# KiCad board panelized.kicad_pcb (continued)
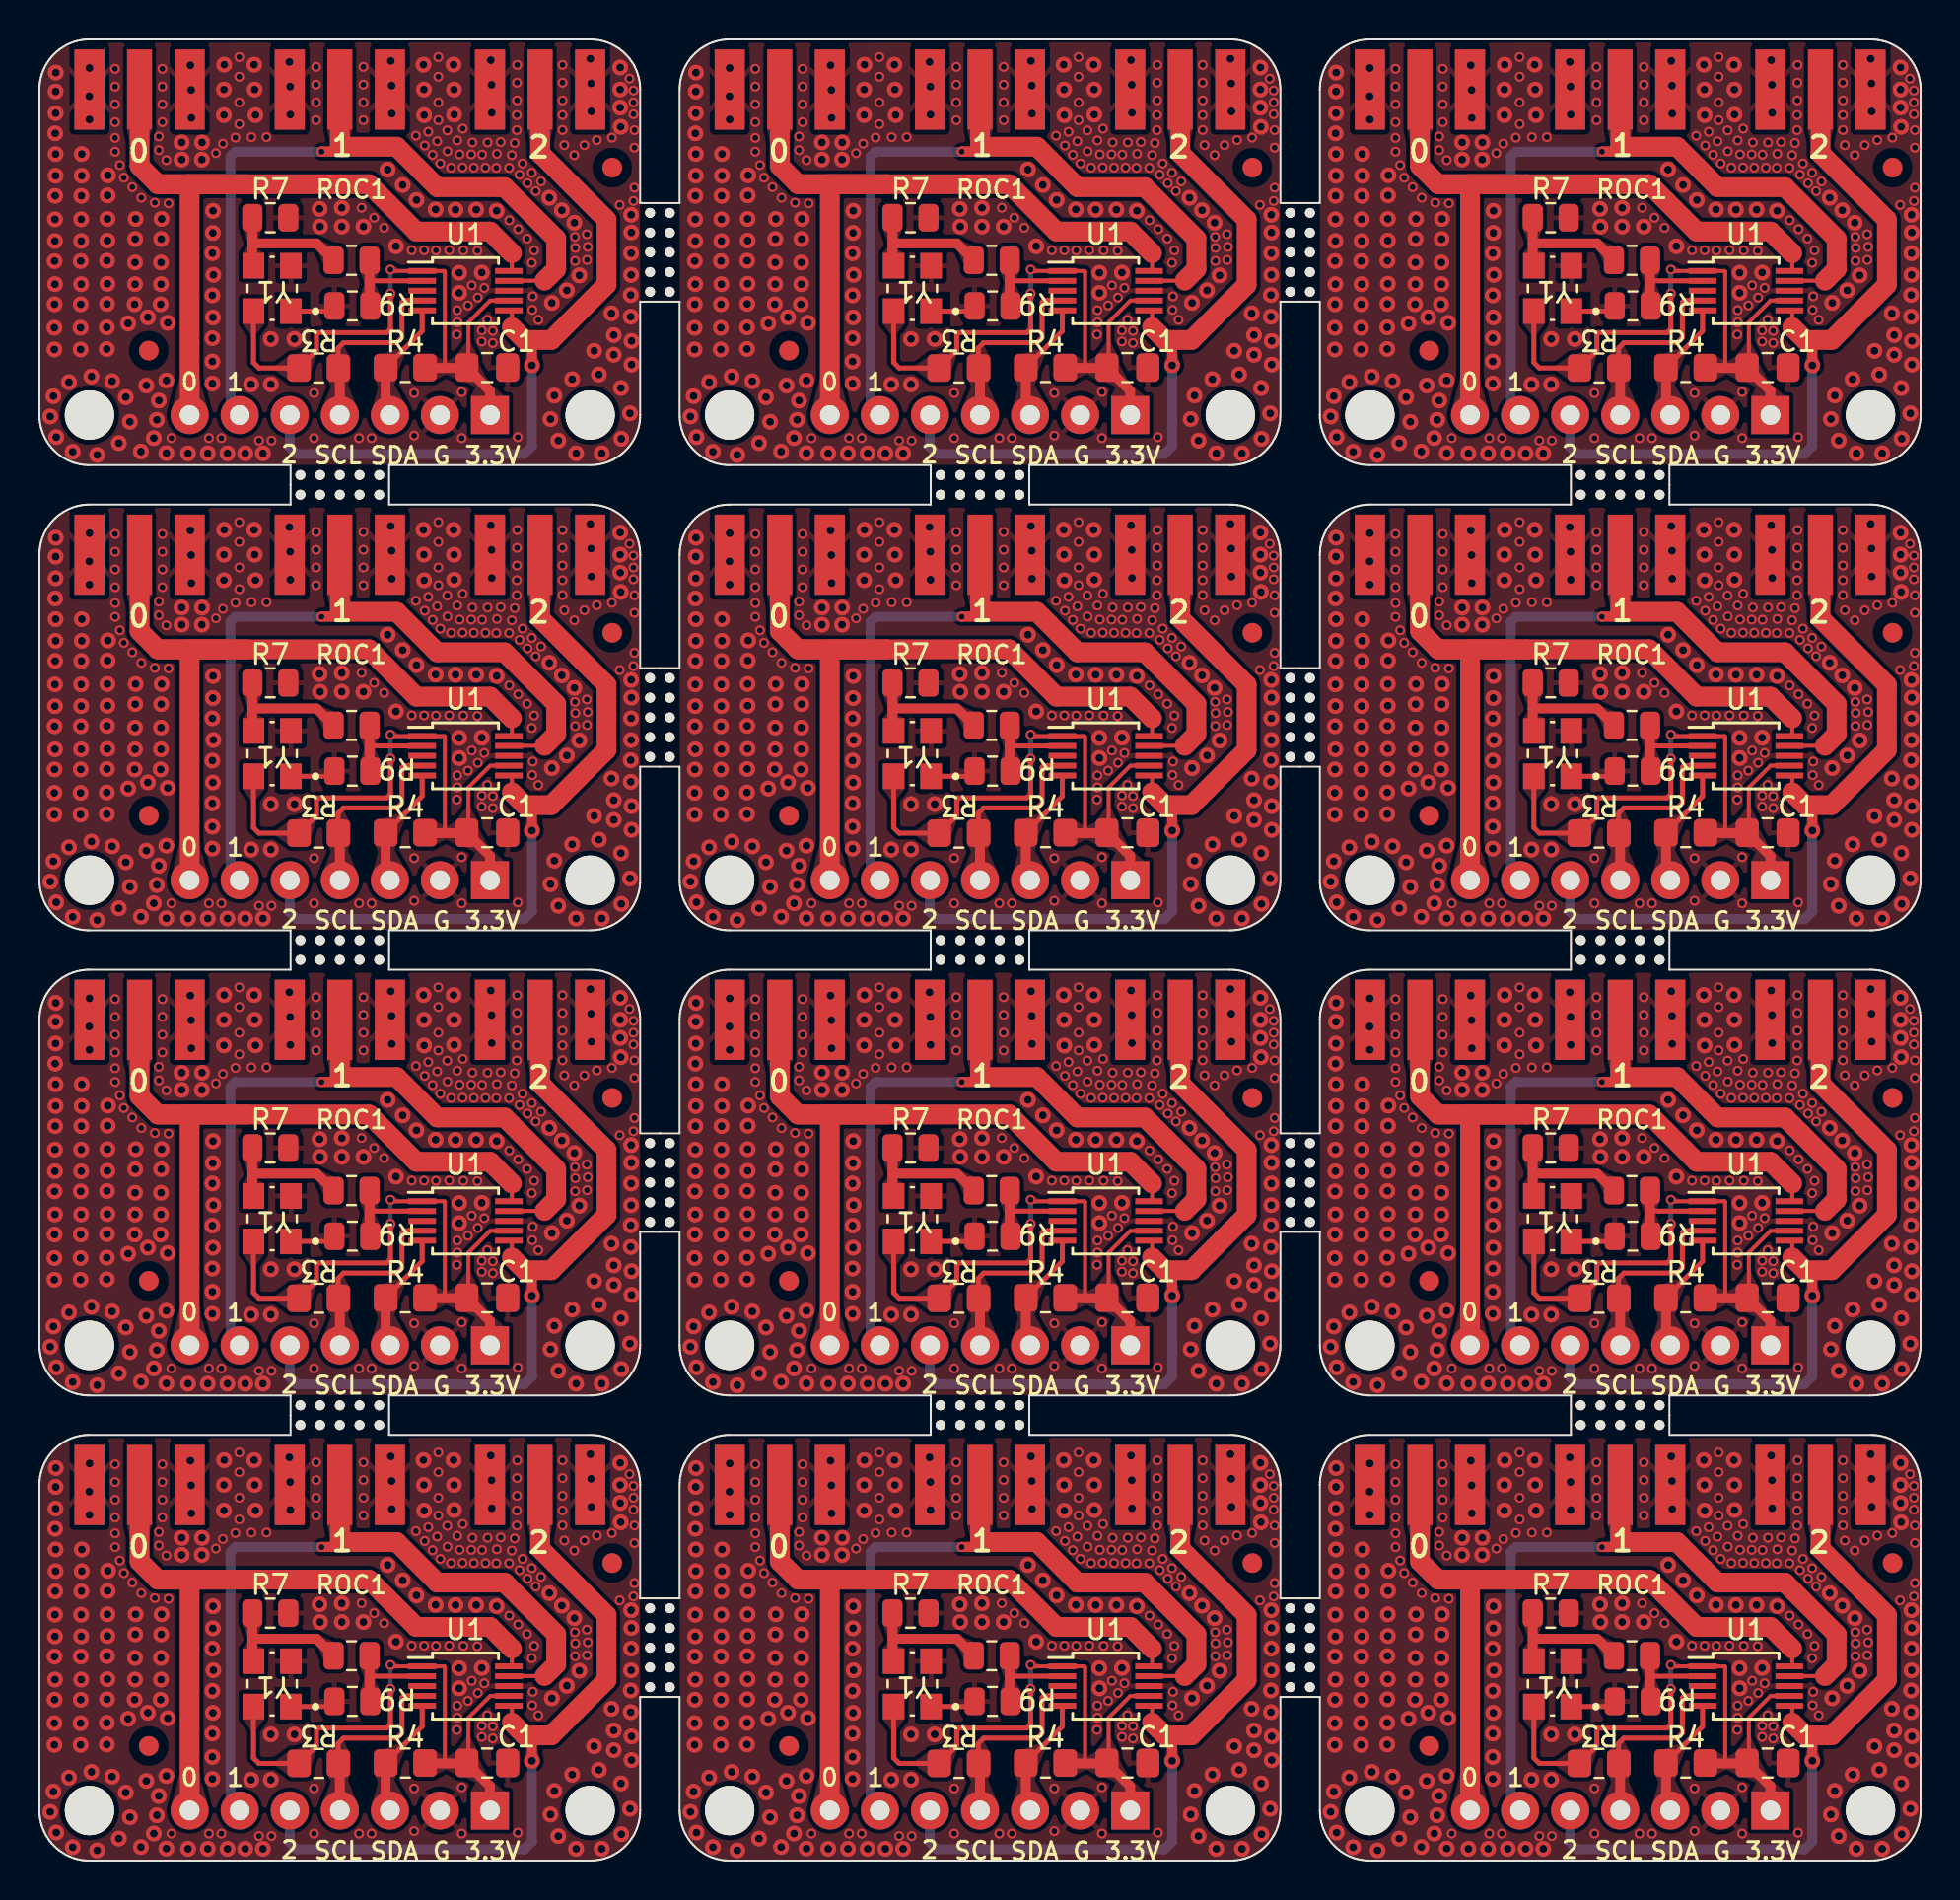
[diagram p0: board, top side]
## Routing (per net, layer and track width the routed paths; a pad name or vN(x,y) marks a point on that pad's centre or on a via; arc(x,y) is an arc through that point) (continued)
Board_7-Net-(U1-XA): length 5
  Top w0.25: U1#5.2 49.28,32.94 49.23,32.89
  Top w0.5: 49.23,31.7 ROC1#9.2
Board_7-Net-(Y1-OUT): length 6.9
  Top w0.5: 43.28,34.84 46.54,34.84 ROC1#9.1 ; 43.28,34.84 R7#7.1 ; 43.28,34.84 43.28,33.76
Board_8-+3.3V: length 31.1
  Top w0.2: v1(82.77,33.51) 82.84,33.44 U1#8.1 85.5,33.44 85.53,33.41 85.53,28.64 ; 86.73,28.54 86.73,30.84 87.83,31.94 U1#8.7
  Top w0.25: Y1#12.4 75.82,28.8 76.1,28.52 R3#12.2 79.02,29.41 79.02,30.31 82.58,30.31 82.77,30.5 v1(82.77,32.3)
  Top w0.5: C1#8.1 87.82,27.36 JP1#11.1 ; 86.53,28.52 84.71,28.52
  Bottom w0.25: v1(82.77,32.3) v1(82.77,33.51)
Board_8-/CLK0: length 43.5
  Top w0.2: 88.93,34.34 88.93,33.5
  Top w1: 75.46,37.84 81.68,37.84 84.08,35.44 87.83,35.44 88.93,34.34 ; 75.46,37.84 70.96,37.84 ; 75.46,37.84 74.32,37.84 ; 74.32,37.84 72.5,37.84 72.58,37.76 JP1#11.7 ; 74.32,37.84 70.96,37.84 ; 70.96,37.84 70.04,38.76 X1#12.P
Board_8-/CLK1: length 39.6
  Top w0.2: 90.59,32.95 88.92,32.95
  Top w0.25: 79.96,39.49 80.21,39.74 80.12,39.65
  Top w0.5: 80.54,39.74 80.31,39.5 79.29,39.5 v1(79.27,39.49) 79.96,39.49
  Top w1: X2#6.P 80.2,39.75 80.21,39.74 83.09,39.74 85.14,37.69 88.56,37.69 91.18,35.07 91.18,33.54 90.59,32.95
  Bottom w0.5: 79.17,39.49 74.9,39.49 74.65,39.24 74.65,26.6
Board_8-/CLK2: length 38.1
  Top w0.2: 88.93,30.59 88.93,31.39
  Top w0.25: 89.95,29.57 89.58,29.94
  Top w0.5: v2(89.95,28.65) 89.95,29.57
  Top w1: X3#12.P 90.36,39.41 93.73,36.04 93.73,32.74 90.93,29.94 89.58,29.94 88.93,30.59
  Bottom w0.5: JP1#11.5 77.66,24.52 78.02,24.16 89.55,24.16 89.95,24.56 v2(89.95,28.65)
Board_8-/SCL_3V: length 9.4
  Top w0.25: U1#8.4 83.44,31.94 83.35,31.85 83.35,30.06 83.09,29.8 80.38,29.8 80.12,29.53 80.12,28.71
  Top w0.5: JP1#11.4 80.2,28.43
Board_8-/SDA_3V: length 5.9
  Top w0.25: R4#5.1 84.38,30.39 U1#8.5
  Top w0.5: R4#5.1 82.52,26.35
Board_8-GND: length 2.3
  Top w0.25: R9#5.2 79.66,31.4 Y1#12.1
  vias: v1(68.8,43.69) v1(68.8,42.79) v1(68.8,41.89) v1(68.8,40.99) v1(68.8,40.19) v1(68.8,39.49) v1(69.04,38.8) v1(69.24,38.17) v1(69.67,37.69) v1(70.13,37.15) v1(70.81,36.9) v1(71.02,40.26) v1(71.02,39.57) v1(71.2,43.69) v1(71.2,42.79) v1(71.2,41.89) v1(71.2,40.99) v1(71.4,39.06) v1(71.51,36.87) v1(71.65,24.96) v1(73.56,24.96) v1(73.91,39.41) v1(74.27,39.9) v1(74.19,24.96) v1(74.9,40.2) v1(75.1,44.29) v1(75.1,43.29) v1(75.1,41.99) v1(75.1,40.89) v1(75.72,40.23) v1(76.1,24.83) v1(76.48,40.23) v1(76.73,24.83) v1(78.89,27.25) v1(78.89,24.96) v1(79,43.79) v1(79,42.89) v1(79,41.99) v1(79,41.09) v1(81.18,24.96) v1(81.3,36.65) v1(81.4,43.79) v1(81.4,42.89) v1(81.4,41.99) v1(81.4,41.09) v1(81.81,24.96) v1(81.94,36.14) v1(82.45,35.63) v1(83.84,34.49) v1(84.06,40.3) v1(83.97,27.25) v1(83.97,25.09) v1(84.51,39.8) v1(84.48,34.49) v1(84.69,40.5) v1(84.91,39.33) v1(85.14,40.02) v1(85.08,34.48) v1(85.2,44.29) v1(85.2,43.29) v1(85.2,41.99) v1(85.2,41.09) v1(85.3,38.89) v1(85.65,40.57) v1(85.66,39.51) v1(85.75,34.49) v1(85.84,38.68) v1(86.16,40.06) v1(86.16,31.45) v1(86.16,30.84) v1(86.14,30.22) v1(86.28,39.35) v1(86.44,40.66) v1(86.43,38.69) v1(86.47,34.48) v1(86.38,27.3) v1(86.38,24.96) v1(86.7,31.69) v1(86.87,39.35) v1(86.93,39.96) v1(86.89,32.71) v1(87,38.68) v1(87.18,34.46) v1(87.2,32.09) v1(87.42,39.34) v1(87.4,30.42) v1(87.4,29.86) v1(87.53,32.58) v1(87.59,38.68) v1(87.7,39.96) v1(87.68,30.96) v1(87.96,30.4) v1(87.96,29.79) v1(88.17,39.38) v1(88.14,38.67) v1(88.36,39.98) v1(88.79,38.67) v1(88.8,36.01) v1(88.92,39.31) v1(89.07,39.93) v1(89.2,43.89) v1(89.19,42.99) v1(89.19,42.09) v1(89.18,41.34) v1(89.18,40.58) v1(89.25,35.56) v1(89.23,25.01) v1(89.32,38.32) v1(89.47,38.89) v1(89.73,37.89) v1(89.7,35.08) v1(89.94,38.42) v1(89.94,33.85) v1(89.97,31.46) v1(90.06,34.48) v1(89.99,32.15) v1(90.14,37.49) v1(90.27,30.96) v1(90.41,37.98) v1(91.5,43.89) v1(91.5,42.99) v1(91.5,42.09) v1(91.5,41.34) v1(91.5,40.59) v1(91.59,39.82) v1(92.1,39.31) v1(92.13,35.17) v1(92.15,34.61) v1(92.14,33.95) v1(92.61,39.82) v1(92.73,35.3) v1(92.74,34) v1(92.78,34.66) v1(93.24,40.07) v1(94,40.2) v1(94.4,36.79) v1(94.9,43.19) v1(95.1,42.59) v1(95.1,41.99) v1(95.1,41.39) v1(95.15,40.58) v1(95.15,39.69) v1(95.15,37.66) v1(95.1,36.99) v2(65.51,26.06) v2(65.67,27.09) v2(65.76,40.42) v2(65.76,37.25) v2(65.75,36.06) v2(65.75,34.96) v2(65.73,33.94) v2(65.75,32.77) v2(65.73,31.75) v2(65.72,30.56) v2(65.72,29.46) v2(65.79,43.5) v2(65.78,42.54) v2(65.78,41.44) v2(65.78,39.37) v2(65.78,38.27) v2(65.81,25.01) v2(66.46,27.8) v2(66.65,24.27) v2(67.06,33.94) v2(67.06,31.75) v2(67.05,30.56) v2(67.05,29.46) v2(67.11,39.37) v2(67.11,38.27) v2(67.09,37.25) v2(67.08,36.06) v2(67.08,34.96) v2(67.08,32.77) v2(67.5,43.73) v2(67.49,42.3) v2(67.5,41.12) v2(67.6,28.09) v2(67.89,24.11) v2(68.44,38.29) v2(68.42,37.27) v2(68.41,36.08) v2(68.41,34.98) v2(68.39,33.96) v2(68.41,32.79) v2(68.39,31.77) v2(68.38,30.58) v2(68.38,29.48) v2(68.65,27.85) v2(68.99,24.71) v2(69.34,27.04) v2(69.46,30.78) v2(69.55,25.79) v2(69.84,36.08) v2(69.82,35.06) v2(69.81,33.87) v2(69.81,32.77) v2(69.79,31.75) v2(70.11,24.28) v2(70.46,31.09) v2(70.38,27.63) v2(70.76,24.96) v2(70.92,25.89) v2(71.02,26.87) v2(71.16,36.08) v2(71.14,35.06) v2(71.13,33.87) v2(71.13,32.77) v2(71.11,31.75) v2(71.47,30.81) v2(71.4,27.88) v2(71.4,24.2) v2(72.18,39.96) v2(72.18,39.09) v2(72.5,24.19) v2(72.62,43.87) v2(72.66,42.62) v2(72.67,41.2) v2(73.21,39.96) v2(73.2,39.09) v2(73.5,24.19) v2(73.77,36.49) v2(73.76,35.37) v2(73.74,34.34) v2(73.74,32.2) v2(73.76,31.08) v2(73.74,30.03) v2(73.74,28.85) v2(73.74,27.73) v2(73.79,33.24) v2(74.5,24.19) v2(75.4,24.19) v2(75.7,27.69) v2(76.3,24.19) v2(76.7,29.99) v2(76.7,27.69) v2(77.64,44.04) v2(77.68,42.79) v2(77.69,41.37) v2(77.9,29.99) v2(79.17,36.59) v2(79.2,35.69) v2(80.3,36.64) v2(80.3,35.69) v2(81.4,35.69) v2(82.63,38.58) v2(82.79,44.09) v2(82.83,42.84) v2(82.84,41.42) v2(83.05,34.69) v2(83.39,37.8) v2(84.09,37.04) v2(85.06,36.56) v2(86.07,36.55) v2(86.26,33.35) v2(86.26,32.33) v2(87.12,36.55) v2(87.4,33.36) v2(87.86,44.13) v2(87.9,42.88) v2(87.91,41.46) v2(88.16,36.49) v2(90.83,37.15) v2(90.96,31.82) v2(90.89,25.93) v2(91.08,27.12) v2(91.29,24.83) v2(91.46,36.52) v2(91.72,32.45) v2(91.99,27.95) v2(92.1,35.88) v2(92.19,24.19) v2(92.35,33.22) v2(92.91,44.2) v2(92.95,42.95) v2(92.96,41.53) v2(93.1,29.39) v2(93.34,28.19) v2(93.49,24.19) v2(93.98,31.29) v2(94.1,30.19) v2(94.1,29.19) v2(94.46,27.5) v2(94.48,24.93) v2(94.96,32.22) v2(94.96,31.12) v2(94.92,26.22) v2(94.98,36.29) v2(94.99,35.39) v2(94.98,34.34) v2(94.98,33.24) v2(95,29.89) v2(95,28.69) v3(74.33,43.9) v3(74.32,42.64) v3(74.32,41.34) v3(75.86,43.9) v3(75.88,42.64) v3(75.92,41.34) v3(84.44,43.9) v3(84.47,42.64) v3(84.48,41.34) v3(85.97,43.9) v3(85.99,42.64) v3(86,41.37) v3(94.42,43.76) v3(94.42,42.64) v3(94.42,41.73) v3(94.45,40.75)
Board_8-Net-(U1-XA): length 5
  Top w0.25: U1#8.2 81.76,32.94 81.71,32.89
  Top w0.5: ROC1#5.2 81.71,31.7
Board_8-Net-(Y1-OUT): length 6.9
  Top w0.5: ROC1#5.1 79.02,34.84 75.76,34.84 ; R7#6.1 75.76,34.84 ; 75.76,34.84 75.76,33.76
Board_9-+3.3V: length 31.1
  Top w0.2: v1(17.81,9.92) 17.88,9.85 U1#4.1 20.54,9.85 20.57,9.82 20.57,5.05 ; U1#4.7 22.87,8.35 21.77,7.25 21.77,4.95
  Top w0.25: Y1#11.4 10.86,5.21 11.14,4.93 R3#9.2 14.06,5.82 14.06,6.72 17.62,6.72 17.81,6.91 v1(17.81,8.71)
  Top w0.5: JP1#7.1 22.86,3.77 C1#12.1 ; 21.57,4.93 19.75,4.93
  Bottom w0.25: v1(17.81,8.71) v1(17.81,9.92)
Board_9-/CLK0: length 43.5
  Top w0.2: 23.97,10.75 23.97,9.91
  Top w1: X1#3.P 5.08,15.17 6,14.25 ; 10.5,14.25 16.72,14.25 19.12,11.85 22.87,11.85 23.97,10.75 ; 10.5,14.25 6,14.25 ; 10.5,14.25 9.36,14.25 ; 9.36,14.25 7.54,14.25 7.62,14.17 JP1#7.7 ; 9.36,14.25 6,14.25
Board_9-/CLK1: length 39.6
  Top w0.2: 25.63,9.36 23.96,9.36
  Top w0.25: 15,15.9 15.25,16.15 15.16,16.06
  Top w0.5: 15.58,16.15 15.35,15.91 14.33,15.91 v1(14.31,15.9) 15,15.9
  Top w1: X2#7.P 15.24,16.16 15.25,16.15 18.13,16.15 20.18,14.1 23.6,14.1 26.22,11.48 26.22,9.95 25.63,9.36
  Bottom w0.5: 9.69,3.01 9.69,15.65 9.94,15.9 14.21,15.9
Board_9-/CLK2: length 38.1
  Top w0.2: 23.97,7 23.97,7.8
  Top w0.25: 24.99,5.98 24.62,6.35
  Top w0.5: v2(24.99,5.06) 24.99,5.98
  Top w1: X3#3.P 25.4,15.82 28.77,12.45 28.77,9.15 25.97,6.35 24.62,6.35 23.97,7
  Bottom w0.5: v2(24.99,5.06) 24.99,0.97 24.59,0.57 13.06,0.57 12.7,0.93 JP1#7.5
Board_9-/SCL_3V: length 9.4
  Top w0.25: 15.16,5.12 15.16,5.94 15.42,6.21 18.13,6.21 18.39,6.47 18.39,8.26 18.48,8.35 U1#4.4
  Top w0.5: JP1#7.4 15.24,4.84
Board_9-/SDA_3V: length 5.9
  Top w0.25: R4.1 19.42,6.8 U1#4.5
  Top w0.5: R4.1 17.56,2.76
Board_9-GND: length 2.3
  Top w0.25: R9#6.2 14.7,7.81 Y1#11.1
  vias: v1(3.84,20.1) v1(3.84,19.2) v1(3.84,18.3) v1(3.84,17.4) v1(3.84,16.6) v1(3.84,15.9) v1(4.08,15.21) v1(4.28,14.58) v1(4.71,14.1) v1(5.17,13.56) v1(5.85,13.31) v1(6.06,16.67) v1(6.06,15.98) v1(6.24,20.1) v1(6.24,19.2) v1(6.24,18.3) v1(6.24,17.4) v1(6.44,15.47) v1(6.55,13.28) v1(6.69,1.37) v1(8.6,1.37) v1(8.95,15.82) v1(9.23,1.37) v1(9.31,16.31) v1(9.94,16.61) v1(10.14,20.7) v1(10.14,19.7) v1(10.14,18.4) v1(10.14,17.3) v1(10.76,16.64) v1(11.14,1.24) v1(11.52,16.64) v1(11.77,1.24) v1(13.93,3.66) v1(13.93,1.37) v1(14.04,20.2) v1(14.04,19.3) v1(14.04,18.4) v1(14.04,17.5) v1(16.22,1.37) v1(16.34,13.06) v1(16.44,20.2) v1(16.44,19.3) v1(16.44,18.4) v1(16.44,17.5) v1(16.85,1.37) v1(16.98,12.55) v1(17.49,12.04) v1(18.88,10.9) v1(19.01,3.66) v1(19.01,1.5) v1(19.1,16.71) v1(19.55,16.21) v1(19.52,10.9) v1(19.73,16.91) v1(19.95,15.74) v1(20.12,10.89) v1(20.24,20.7) v1(20.24,19.7) v1(20.24,18.4) v1(20.24,17.5) v1(20.18,16.43) v1(20.34,15.3) v1(20.69,16.98) v1(20.7,15.92) v1(20.79,10.9) v1(20.88,15.09) v1(21.2,16.47) v1(21.2,7.86) v1(21.2,7.25) v1(21.18,6.63) v1(21.32,15.76) v1(21.47,15.1) v1(21.42,3.71) v1(21.42,1.37) v1(21.48,17.07) v1(21.51,10.89) v1(21.74,8.1) v1(21.97,16.37) v1(21.91,15.76) v1(21.93,9.12) v1(22.04,15.09) v1(22.22,10.87) v1(22.24,8.5) v1(22.46,15.75) v1(22.44,6.83) v1(22.44,6.27) v1(22.57,8.99) v1(22.63,15.09) v1(22.74,16.37) v1(22.72,7.37) v1(23,6.81) v1(23,6.2) v1(23.21,15.79) v1(23.18,15.08) v1(23.4,16.39) v1(23.83,15.08) v1(23.84,12.42) v1(23.96,15.72) v1(24.11,16.34) v1(24.24,20.3) v1(24.23,19.4) v1(24.23,18.5) v1(24.22,17.75) v1(24.22,16.99) v1(24.27,1.42) v1(24.36,14.73) v1(24.29,11.97) v1(24.51,15.3) v1(24.77,14.3) v1(24.74,11.49) v1(24.98,14.83) v1(24.98,10.26) v1(25.03,8.56) v1(25.01,7.87) v1(25.1,10.89) v1(25.18,13.9) v1(25.31,7.37) v1(25.45,14.39) v1(26.54,20.3) v1(26.54,19.4) v1(26.54,18.5) v1(26.54,17.75) v1(26.54,17) v1(26.63,16.23) v1(27.14,15.72) v1(27.17,11.58) v1(27.19,11.02) v1(27.18,10.36) v1(27.65,16.23) v1(27.77,11.71) v1(27.82,11.07) v1(27.78,10.41) v1(28.28,16.48) v1(29.04,16.61) v1(29.44,13.2) v1(29.94,19.6) v1(30.14,19) v1(30.14,18.4) v1(30.14,17.8) v1(30.14,13.4) v1(30.19,16.99) v1(30.19,16.1) v1(30.19,14.07) v2(0.55,2.47) v2(0.77,10.35) v2(0.77,8.16) v2(0.76,6.97) v2(0.76,5.87) v2(0.71,3.5) v2(0.83,19.91) v2(0.82,18.95) v2(0.82,17.85) v2(0.8,16.83) v2(0.82,15.78) v2(0.82,14.68) v2(0.8,13.66) v2(0.79,12.47) v2(0.79,11.37) v2(0.79,9.18) v2(0.85,1.42) v2(1.5,4.21) v2(1.69,0.68) v2(2.15,15.78) v2(2.15,14.68) v2(2.13,13.66) v2(2.12,12.47) v2(2.12,11.37) v2(2.1,10.35) v2(2.12,9.18) v2(2.1,8.16) v2(2.09,6.97) v2(2.09,5.87) v2(2.54,20.14) v2(2.53,18.71) v2(2.54,17.53) v2(2.64,4.5) v2(2.93,0.52) v2(3.46,13.68) v2(3.45,12.49) v2(3.45,11.39) v2(3.43,10.37) v2(3.45,9.2) v2(3.43,8.18) v2(3.42,6.99) v2(3.42,5.89) v2(3.48,14.7) v2(3.69,4.26) v2(4.03,1.12) v2(4.38,3.45) v2(4.5,7.19) v2(4.59,2.2) v2(4.86,11.47) v2(4.85,10.28) v2(4.85,9.18) v2(4.83,8.16) v2(4.88,12.49) v2(5.15,0.69) v2(5.42,4.04) v2(5.5,7.5) v2(5.8,1.37) v2(5.96,2.3) v2(6.06,3.28) v2(6.17,10.28) v2(6.17,9.18) v2(6.15,8.16) v2(6.2,12.49) v2(6.18,11.47) v2(6.44,4.29) v2(6.44,0.61) v2(6.51,7.22) v2(7.22,16.37) v2(7.22,15.5) v2(7.54,0.6) v2(7.66,20.28) v2(7.7,19.03) v2(7.71,17.61) v2(8.25,16.37) v2(8.24,15.5) v2(8.54,0.6) v2(8.81,12.9) v2(8.8,11.78) v2(8.78,10.75) v2(8.83,9.65) v2(8.78,8.61) v2(8.8,7.49) v2(8.78,6.44) v2(8.78,5.26) v2(8.78,4.14) v2(9.54,0.6) v2(10.44,0.6) v2(10.74,4.1) v2(11.34,0.6) v2(11.74,6.4) v2(11.74,4.1) v2(12.68,20.45) v2(12.72,19.2) v2(12.73,17.78) v2(12.94,6.4) v2(14.21,13) v2(14.24,12.1) v2(15.34,13.05) v2(15.34,12.1) v2(16.44,12.1) v2(17.67,14.99) v2(17.83,20.5) v2(17.87,19.25) v2(17.88,17.83) v2(18.09,11.1) v2(18.43,14.21) v2(19.13,13.45) v2(20.1,12.97) v2(21.11,12.96) v2(21.3,9.76) v2(21.3,8.74) v2(22.16,12.96) v2(22.44,9.77) v2(22.9,20.54) v2(22.94,19.29) v2(22.95,17.87) v2(23.2,12.9) v2(25.87,13.56) v2(25.93,2.34) v2(26,8.23) v2(26.12,3.53) v2(26.33,1.24) v2(26.5,12.93) v2(26.76,8.86) v2(27.03,4.36) v2(27.14,12.29) v2(27.23,0.6) v2(27.39,9.63) v2(27.95,20.61) v2(27.99,19.36) v2(28,17.94) v2(28.14,5.8) v2(28.38,4.6) v2(28.53,0.6) v2(29.02,7.7) v2(29.14,6.6) v2(29.14,5.6) v2(29.5,3.91) v2(29.52,1.34) v2(29.96,2.63) v2(30.02,12.7) v2(30.03,11.8) v2(30.02,10.75) v2(30.02,9.65) v2(30,8.63) v2(30,7.53) v2(30.04,6.3) v2(30.04,5.1) v3(9.36,19.05) v3(9.36,17.75) v3(9.37,20.31) v3(10.9,20.31) v3(10.92,19.05) v3(10.96,17.75) v3(19.48,20.31) v3(19.51,19.05) v3(19.52,17.75) v3(21.01,20.31) v3(21.03,19.05) v3(21.04,17.78) v3(29.46,20.17) v3(29.46,19.05) v3(29.46,18.14) v3(29.49,17.16)
Board_9-Net-(U1-XA): length 5
  Top w0.25: 16.75,9.3 16.8,9.35 U1#4.2
  Top w0.5: ROC1.2 16.75,8.11
Board_9-Net-(Y1-OUT): length 6.9
  Top w0.5: ROC1.1 14.06,11.25 10.8,11.25 ; 10.8,11.25 10.8,10.17 ; 10.8,11.25 R7#5.1
Board_10-+3.3V: length 31.1
  Top w0.2: 53.05,5.05 53.05,9.82 53.02,9.85 U1#6.1 50.36,9.85 v1(50.29,9.92) ; 54.25,4.95 54.25,7.25 55.35,8.35 U1#6.7
  Top w0.25: Y1#7.4 43.34,5.21 43.62,4.93 R3#6.2 46.54,5.82 46.54,6.72 50.1,6.72 50.29,6.91 v1(50.29,8.71)
  Top w0.5: JP1#4.1 55.34,3.77 C1#9.1 ; 54.05,4.93 52.23,4.93
  Bottom w0.25: v1(50.29,8.71) v1(50.29,9.92)
Board_10-/CLK0: length 43.5
  Top w0.2: 56.45,10.75 56.45,9.91
  Top w1: X1#8.P 37.56,15.17 38.48,14.25 ; 56.45,10.75 55.35,11.85 51.6,11.85 49.2,14.25 42.98,14.25 ; 38.48,14.25 41.84,14.25 ; 38.48,14.25 42.98,14.25 ; 41.84,14.25 40.02,14.25 40.1,14.17 JP1#4.7 ; 41.84,14.25 42.98,14.25
Board_10-/CLK1: length 39.6
  Top w0.2: 58.11,9.36 56.44,9.36
  Top w0.25: 47.64,16.06 47.73,16.15 47.48,15.9
  Top w0.5: 47.48,15.9 v1(46.79,15.9) 46.81,15.91 47.83,15.91 48.06,16.15
  Top w1: 58.11,9.36 58.7,9.95 58.7,11.48 56.08,14.1 52.66,14.1 50.61,16.15 47.73,16.15 47.72,16.16 X2#10.P
  Bottom w0.5: 42.17,3.01 42.17,15.65 42.42,15.9 46.69,15.9
Board_10-/CLK2: length 38.1
  Top w0.2: 56.45,7 56.45,7.8
  Top w0.25: 57.47,5.98 57.1,6.35
  Top w0.5: v2(57.47,5.06) 57.47,5.98
  Top w1: X3#8.P 57.88,15.82 61.25,12.45 61.25,9.15 58.45,6.35 57.1,6.35 56.45,7
  Bottom w0.5: v2(57.47,5.06) 57.47,0.97 57.07,0.57 45.54,0.57 45.18,0.93 JP1#4.5
Board_10-/SCL_3V: length 9.4
  Top w0.25: 47.64,5.12 47.64,5.94 47.9,6.21 50.61,6.21 50.87,6.47 50.87,8.26 50.96,8.35 U1#6.4
  Top w0.5: JP1#4.4 47.72,4.84
Board_10-/SDA_3V: length 5.9
  Top w0.25: U1#6.5 51.9,6.8 R4#3.1
  Top w0.5: R4#3.1 50.04,2.76
Board_10-GND: length 2.3
  Top w0.25: R9#3.2 47.18,7.81 Y1#7.1
  vias: v1(36.32,20.1) v1(36.32,19.2) v1(36.32,18.3) v1(36.32,17.4) v1(36.32,16.6) v1(36.32,15.9) v1(36.56,15.21) v1(36.76,14.58) v1(37.19,14.1) v1(37.65,13.56) v1(38.33,13.31) v1(38.54,16.67) v1(38.54,15.98) v1(38.72,20.1) v1(38.72,19.2) v1(38.72,18.3) v1(38.72,17.4) v1(38.92,15.47) v1(39.03,13.28) v1(39.17,1.37) v1(41.08,1.37) v1(41.43,15.82) v1(41.71,1.37) v1(41.79,16.31) v1(42.42,16.61) v1(42.62,20.7) v1(42.62,19.7) v1(42.62,18.4) v1(42.62,17.3) v1(43.24,16.64) v1(43.62,1.24) v1(44,16.64) v1(44.25,1.24) v1(46.41,3.66) v1(46.41,1.37) v1(46.52,20.2) v1(46.52,19.3) v1(46.52,18.4) v1(46.52,17.5) v1(48.7,1.37) v1(48.82,13.06) v1(48.92,20.2) v1(48.92,19.3) v1(48.92,18.4) v1(48.92,17.5) v1(49.33,1.37) v1(49.46,12.55) v1(49.97,12.04) v1(51.36,10.9) v1(51.49,3.66) v1(51.49,1.5) v1(51.58,16.71) v1(52.03,16.21) v1(52,10.9) v1(52.21,16.91) v1(52.43,15.74) v1(52.66,16.43) v1(52.6,10.89) v1(52.72,20.7) v1(52.72,19.7) v1(52.72,18.4) v1(52.72,17.5) v1(52.82,15.3) v1(53.17,16.98) v1(53.18,15.92) v1(53.27,10.9) v1(53.36,15.09) v1(53.66,6.63) v1(53.68,16.47) v1(53.68,7.86) v1(53.68,7.25) v1(53.8,15.76) v1(53.96,17.07) v1(53.95,15.1) v1(53.9,3.71) v1(53.9,1.37) v1(53.99,10.89) v1(54.22,8.1) v1(54.45,16.37) v1(54.39,15.76) v1(54.41,9.12) v1(54.52,15.09) v1(54.7,10.87) v1(54.72,8.5) v1(54.94,15.75) v1(54.92,6.83) v1(54.92,6.27) v1(55.05,8.99) v1(55.11,15.09) v1(55.22,16.37) v1(55.2,7.37) v1(55.48,6.81) v1(55.48,6.2) v1(55.66,15.08) v1(55.69,15.79) v1(55.88,16.39) v1(56.31,15.08) v1(56.32,12.42) v1(56.44,15.72) v1(56.59,16.34) v1(56.72,20.3) v1(56.71,19.4) v1(56.71,18.5) v1(56.7,17.75) v1(56.7,16.99) v1(56.77,11.97) v1(56.75,1.42) v1(56.84,14.73) v1(56.99,15.3) v1(57.25,14.3) v1(57.22,11.49) v1(57.46,14.83) v1(57.46,10.26) v1(57.51,8.56) v1(57.49,7.87) v1(57.66,13.9) v1(57.58,10.89) v1(57.79,7.37) v1(57.93,14.39) v1(59.02,20.3) v1(59.02,19.4) v1(59.02,18.5) v1(59.02,17.75) v1(59.02,17) v1(59.11,16.23) v1(59.62,15.72) v1(59.65,11.58) v1(59.67,11.02) v1(59.66,10.36) v1(60.13,16.23) v1(60.25,11.71) v1(60.26,10.41) v1(60.3,11.07) v1(60.76,16.48) v1(61.52,16.61) v1(61.92,13.2) v1(62.42,19.6) v1(62.62,19) v1(62.62,18.4) v1(62.62,17.8) v1(62.67,16.99) v1(62.67,16.1) v1(62.67,14.07) v1(62.62,13.4) v2(33.03,2.47) v2(33.27,12.47) v2(33.27,11.37) v2(33.25,10.35) v2(33.27,9.18) v2(33.25,8.16) v2(33.24,6.97) v2(33.24,5.87) v2(33.19,3.5) v2(33.31,19.91) v2(33.3,18.95) v2(33.3,17.85) v2(33.28,16.83) v2(33.3,15.78) v2(33.3,14.68) v2(33.28,13.66) v2(33.33,1.42) v2(33.98,4.21) v2(34.17,0.68) v2(34.57,6.97) v2(34.57,5.87) v2(34.63,15.78) v2(34.63,14.68) v2(34.61,13.66) v2(34.6,12.47) v2(34.6,11.37) v2(34.58,10.35) v2(34.6,9.18) v2(34.58,8.16) v2(35.02,20.14) v2(35.01,18.71) v2(35.02,17.53) v2(35.12,4.5) v2(35.41,0.52) v2(35.96,14.7) v2(35.94,13.68) v2(35.93,12.49) v2(35.93,11.39) v2(35.91,10.37) v2(35.93,9.2) v2(35.91,8.18) v2(35.9,6.99) v2(35.9,5.89) v2(36.17,4.26) v2(36.51,1.12) v2(36.86,3.45) v2(36.98,7.19) v2(37.07,2.2) v2(37.36,12.49) v2(37.34,11.47) v2(37.33,10.28) v2(37.33,9.18) v2(37.31,8.16) v2(37.63,0.69) v2(37.9,4.04) v2(37.98,7.5) v2(38.28,1.37) v2(38.44,2.3) v2(38.54,3.28) v2(38.66,11.47) v2(38.65,10.28) v2(38.65,9.18) v2(38.63,8.16) v2(38.68,12.49) v2(38.92,4.29) v2(38.92,0.61) v2(38.99,7.22) v2(39.7,16.37) v2(39.7,15.5) v2(40.02,0.6) v2(40.14,20.28) v2(40.18,19.03) v2(40.19,17.61) v2(40.73,16.37) v2(40.72,15.5) v2(41.02,0.6) v2(41.26,10.75) v2(41.26,8.61) v2(41.26,6.44) v2(41.26,5.26) v2(41.26,4.14) v2(41.29,12.9) v2(41.28,11.78) v2(41.31,9.65) v2(41.28,7.49) v2(42.02,0.6) v2(42.92,0.6) v2(43.22,4.1) v2(43.82,0.6) v2(44.22,6.4) v2(44.22,4.1) v2(45.16,20.45) v2(45.2,19.2) v2(45.21,17.78) v2(45.42,6.4) v2(46.69,13) v2(46.72,12.1) v2(47.82,13.05) v2(47.82,12.1) v2(48.92,12.1) v2(50.15,14.99) v2(50.31,20.5) v2(50.35,19.25) v2(50.36,17.83) v2(50.57,11.1) v2(50.91,14.21) v2(51.61,13.45) v2(52.58,12.97) v2(53.59,12.96) v2(53.78,9.76) v2(53.78,8.74) v2(54.64,12.96) v2(54.92,9.77) v2(55.38,20.54) v2(55.42,19.29) v2(55.43,17.87) v2(55.68,12.9) v2(58.35,13.56) v2(58.41,2.34) v2(58.48,8.23) v2(58.6,3.53) v2(58.81,1.24) v2(58.98,12.93) v2(59.24,8.86) v2(59.51,4.36) v2(59.62,12.29) v2(59.71,0.6) v2(59.87,9.63) v2(60.43,20.61) v2(60.47,19.36) v2(60.48,17.94) v2(60.62,5.8) v2(60.86,4.6) v2(61.01,0.6) v2(61.5,7.7) v2(61.62,6.6) v2(61.62,5.6) v2(61.98,3.91) v2(62,1.34) v2(62.44,2.63) v2(62.5,12.7) v2(62.51,11.8) v2(62.5,10.75) v2(62.5,9.65) v2(62.48,8.63) v2(62.48,7.53) v2(62.52,6.3) v2(62.52,5.1) v3(41.85,20.31) v3(41.84,19.05) v3(41.84,17.75) v3(43.38,20.31) v3(43.4,19.05) v3(43.44,17.75) v3(51.96,20.31) v3(51.99,19.05) v3(52,17.75) v3(53.49,20.31) v3(53.51,19.05) v3(53.52,17.78) v3(61.94,20.17) v3(61.94,19.05) v3(61.94,18.14) v3(61.97,17.16)
Board_10-Net-(U1-XA): length 5
  Top w0.25: U1#6.2 49.28,9.35 49.23,9.3
  Top w0.5: 49.23,8.11 ROC1#2.2
Board_10-Net-(Y1-OUT): length 6.9
  Top w0.5: 43.28,11.25 46.54,11.25 ROC1#2.1 ; 43.28,11.25 43.28,10.17 ; 43.28,11.25 R7#4.1
Board_11-+3.3V: length 31.1
  Top w0.2: v1(82.77,9.92) 82.84,9.85 U1#7.1 85.5,9.85 85.53,9.82 85.53,5.05 ; U1#7.7 87.83,8.35 86.73,7.25 86.73,4.95
  Top w0.25: Y1#3.4 75.82,5.21 76.1,4.93 R3#5.2 79.02,5.82 79.02,6.72 82.58,6.72 82.77,6.91 v1(82.77,8.71)
  Top w0.5: JP1#9.1 87.82,3.77 C1.1 ; 86.53,4.93 84.71,4.93
  Bottom w0.25: v1(82.77,8.71) v1(82.77,9.92)
Board_11-/CLK0: length 43.5
  Top w0.2: 88.93,10.75 88.93,9.91
  Top w1: 88.93,10.75 87.83,11.85 84.08,11.85 81.68,14.25 75.46,14.25 ; 75.46,14.25 70.96,14.25 ; 75.46,14.25 74.32,14.25 ; 70.96,14.25 70.04,15.17 X1#10.P ; 70.96,14.25 74.32,14.25 ; 74.32,14.25 72.5,14.25 72.58,14.17 JP1#9.7
Board_11-/CLK1: length 39.6
  Top w0.2: 90.59,9.36 88.92,9.36
  Top w0.25: 80.12,16.06 80.21,16.15 79.96,15.9
  Top w0.5: 79.96,15.9 v1(79.27,15.9) 79.29,15.91 80.31,15.91 80.54,16.15
  Top w1: X2.P 80.2,16.16 80.21,16.15 83.09,16.15 85.14,14.1 88.56,14.1 91.18,11.48 91.18,9.95 90.59,9.36
  Bottom w0.5: 79.17,15.9 74.9,15.9 74.65,15.65 74.65,3.01
Board_11-/CLK2: length 38.1
  Top w0.2: 88.93,7 88.93,7.8
  Top w0.25: 89.95,5.98 89.58,6.35
  Top w0.5: v2(89.95,5.06) 89.95,5.98
  Top w1: X3#7.P 90.36,15.82 93.73,12.45 93.73,9.15 90.93,6.35 89.58,6.35 88.93,7
  Bottom w0.5: v2(89.95,5.06) 89.95,0.97 89.55,0.57 78.02,0.57 77.66,0.93 JP1#9.5
Board_11-/SCL_3V: length 9.4
  Top w0.25: 80.12,5.12 80.12,5.94 80.38,6.21 83.09,6.21 83.35,6.47 83.35,8.26 83.44,8.35 U1#7.4
  Top w0.5: JP1#9.4 80.2,4.84
Board_11-/SDA_3V: length 5.9
  Top w0.25: U1#7.5 84.38,6.8 R4#7.1
  Top w0.5: R4#7.1 82.52,2.76
Board_11-GND: length 2.3
  Top w0.25: Y1#3.1 79.66,7.81 R9#8.2
  vias: v1(68.8,20.1) v1(68.8,19.2) v1(68.8,18.3) v1(68.8,17.4) v1(68.8,16.6) v1(68.8,15.9) v1(69.04,15.21) v1(69.24,14.58) v1(69.67,14.1) v1(70.13,13.56) v1(70.81,13.31) v1(71.02,16.67) v1(71.02,15.98) v1(71.2,20.1) v1(71.2,19.2) v1(71.2,18.3) v1(71.2,17.4) v1(71.4,15.47) v1(71.51,13.28) v1(71.65,1.37) v1(73.56,1.37) v1(73.91,15.82) v1(74.27,16.31) v1(74.19,1.37) v1(74.9,16.61) v1(75.1,20.7) v1(75.1,19.7) v1(75.1,18.4) v1(75.1,17.3) v1(75.72,16.64) v1(76.1,1.24) v1(76.48,16.64) v1(76.73,1.24) v1(78.89,3.66) v1(78.89,1.37) v1(79,20.2) v1(79,19.3) v1(79,18.4) v1(79,17.5) v1(81.18,1.37) v1(81.3,13.06) v1(81.4,20.2) v1(81.4,19.3) v1(81.4,18.4) v1(81.4,17.5) v1(81.81,1.37) v1(81.94,12.55) v1(82.45,12.04) v1(83.84,10.9) v1(84.06,16.71) v1(83.97,3.66) v1(83.97,1.5) v1(84.51,16.21) v1(84.48,10.9) v1(84.69,16.91) v1(84.91,15.74) v1(85.14,16.43) v1(85.08,10.89) v1(85.2,20.7) v1(85.2,19.7) v1(85.2,18.4) v1(85.2,17.5) v1(85.3,15.3) v1(85.65,16.98) v1(85.66,15.92) v1(85.75,10.9) v1(85.84,15.09) v1(86.16,16.47) v1(86.16,7.86) v1(86.16,7.25) v1(86.14,6.63) v1(86.28,15.76) v1(86.44,17.07) v1(86.43,15.1) v1(86.47,10.89) v1(86.38,3.71) v1(86.38,1.37) v1(86.7,8.1) v1(86.87,15.76) v1(86.93,16.37) v1(86.89,9.12) v1(87,15.09) v1(87.18,10.87) v1(87.2,8.5) v1(87.42,15.75) v1(87.4,6.83) v1(87.4,6.27) v1(87.53,8.99) v1(87.59,15.09) v1(87.7,16.37) v1(87.68,7.37) v1(87.96,6.81) v1(87.96,6.2) v1(88.17,15.79) v1(88.14,15.08) v1(88.36,16.39) v1(88.79,15.08) v1(88.8,12.42) v1(88.92,15.72) v1(89.07,16.34) v1(89.2,20.3) v1(89.19,19.4) v1(89.19,18.5) v1(89.18,17.75) v1(89.18,16.99) v1(89.25,11.97) v1(89.23,1.42) v1(89.32,14.73) v1(89.47,15.3) v1(89.73,14.3) v1(89.7,11.49) v1(89.94,14.83) v1(89.94,10.26) v1(89.97,7.87) v1(90.06,10.89) v1(89.99,8.56) v1(90.14,13.9) v1(90.27,7.37) v1(90.41,14.39) v1(91.5,20.3) v1(91.5,19.4) v1(91.5,18.5) v1(91.5,17.75) v1(91.5,17) v1(91.59,16.23) v1(92.1,15.72) v1(92.13,11.58) v1(92.15,11.02) v1(92.14,10.36) v1(92.61,16.23) v1(92.73,11.71) v1(92.74,10.41) v1(92.78,11.07) v1(93.24,16.48) v1(94,16.61) v1(94.4,13.2) v1(94.9,19.6) v1(95.1,19) v1(95.1,18.4) v1(95.1,17.8) v1(95.15,16.99) v1(95.15,16.1) v1(95.15,14.07) v1(95.1,13.4) v2(65.51,2.47) v2(65.67,3.5) v2(65.76,16.83) v2(65.76,13.66) v2(65.75,12.47) v2(65.75,11.37) v2(65.73,10.35) v2(65.75,9.18) v2(65.73,8.16) v2(65.72,6.97) v2(65.72,5.87) v2(65.79,19.91) v2(65.78,18.95) v2(65.78,17.85) v2(65.78,15.78) v2(65.78,14.68) v2(65.81,1.42) v2(66.46,4.21) v2(66.65,0.68) v2(67.06,10.35) v2(67.06,8.16) v2(67.05,6.97) v2(67.05,5.87) v2(67.11,15.78) v2(67.11,14.68) v2(67.09,13.66) v2(67.08,12.47) v2(67.08,11.37) v2(67.08,9.18) v2(67.5,20.14) v2(67.49,18.71) v2(67.5,17.53) v2(67.6,4.5) v2(67.89,0.52) v2(68.44,14.7) v2(68.42,13.68) v2(68.41,12.49) v2(68.41,11.39) v2(68.39,10.37) v2(68.41,9.2) v2(68.39,8.18) v2(68.38,6.99) v2(68.38,5.89) v2(68.65,4.26) v2(68.99,1.12) v2(69.34,3.45) v2(69.46,7.19) v2(69.55,2.2) v2(69.84,12.49) v2(69.82,11.47) v2(69.81,10.28) v2(69.81,9.18) v2(69.79,8.16) v2(70.11,0.69) v2(70.46,7.5) v2(70.38,4.04) v2(70.76,1.37) v2(70.92,2.3) v2(71.02,3.28) v2(71.16,12.49) v2(71.14,11.47) v2(71.13,10.28) v2(71.13,9.18) v2(71.11,8.16) v2(71.47,7.22) v2(71.4,4.29) v2(71.4,0.61) v2(72.18,16.37) v2(72.18,15.5) v2(72.5,0.6) v2(72.62,20.28) v2(72.66,19.03) v2(72.67,17.61) v2(73.21,16.37) v2(73.2,15.5) v2(73.5,0.6) v2(73.77,12.9) v2(73.76,11.78) v2(73.74,10.75) v2(73.74,8.61) v2(73.76,7.49) v2(73.74,6.44) v2(73.74,5.26) v2(73.74,4.14) v2(73.79,9.65) v2(74.5,0.6) v2(75.4,0.6) v2(75.7,4.1) v2(76.3,0.6) v2(76.7,6.4) v2(76.7,4.1) v2(77.64,20.45) v2(77.68,19.2) v2(77.69,17.78) v2(77.9,6.4) v2(79.17,13) v2(79.2,12.1) v2(80.3,13.05) v2(80.3,12.1) v2(81.4,12.1) v2(82.63,14.99) v2(82.79,20.5) v2(82.83,19.25) v2(82.84,17.83) v2(83.05,11.1) v2(83.39,14.21) v2(84.09,13.45) v2(85.06,12.97) v2(86.07,12.96) v2(86.26,9.76) v2(86.26,8.74) v2(87.12,12.96) v2(87.4,9.77) v2(87.86,20.54) v2(87.9,19.29) v2(87.91,17.87) v2(88.16,12.9) v2(90.83,13.56) v2(90.96,8.23) v2(90.89,2.34) v2(91.08,3.53) v2(91.29,1.24) v2(91.46,12.93) v2(91.72,8.86) v2(91.99,4.36) v2(92.1,12.29) v2(92.19,0.6) v2(92.35,9.63) v2(92.91,20.61) v2(92.95,19.36) v2(92.96,17.94) v2(93.1,5.8) v2(93.34,4.6) v2(93.49,0.6) v2(93.98,7.7) v2(94.1,6.6) v2(94.1,5.6) v2(94.46,3.91) v2(94.48,1.34) v2(94.96,8.63) v2(94.96,7.53) v2(94.92,2.63) v2(94.98,12.7) v2(94.99,11.8) v2(94.98,10.75) v2(94.98,9.65) v2(95,6.3) v2(95,5.1) v3(74.33,20.31) v3(74.32,19.05) v3(74.32,17.75) v3(75.86,20.31) v3(75.88,19.05) v3(75.92,17.75) v3(84.44,20.31) v3(84.47,19.05) v3(84.48,17.75) v3(85.97,20.31) v3(85.99,19.05) v3(86,17.78) v3(94.42,20.17) v3(94.42,19.05) v3(94.42,18.14) v3(94.45,17.16)
